# KiCad board arena_12-12_v8_ni.kicad_pcb (continued)
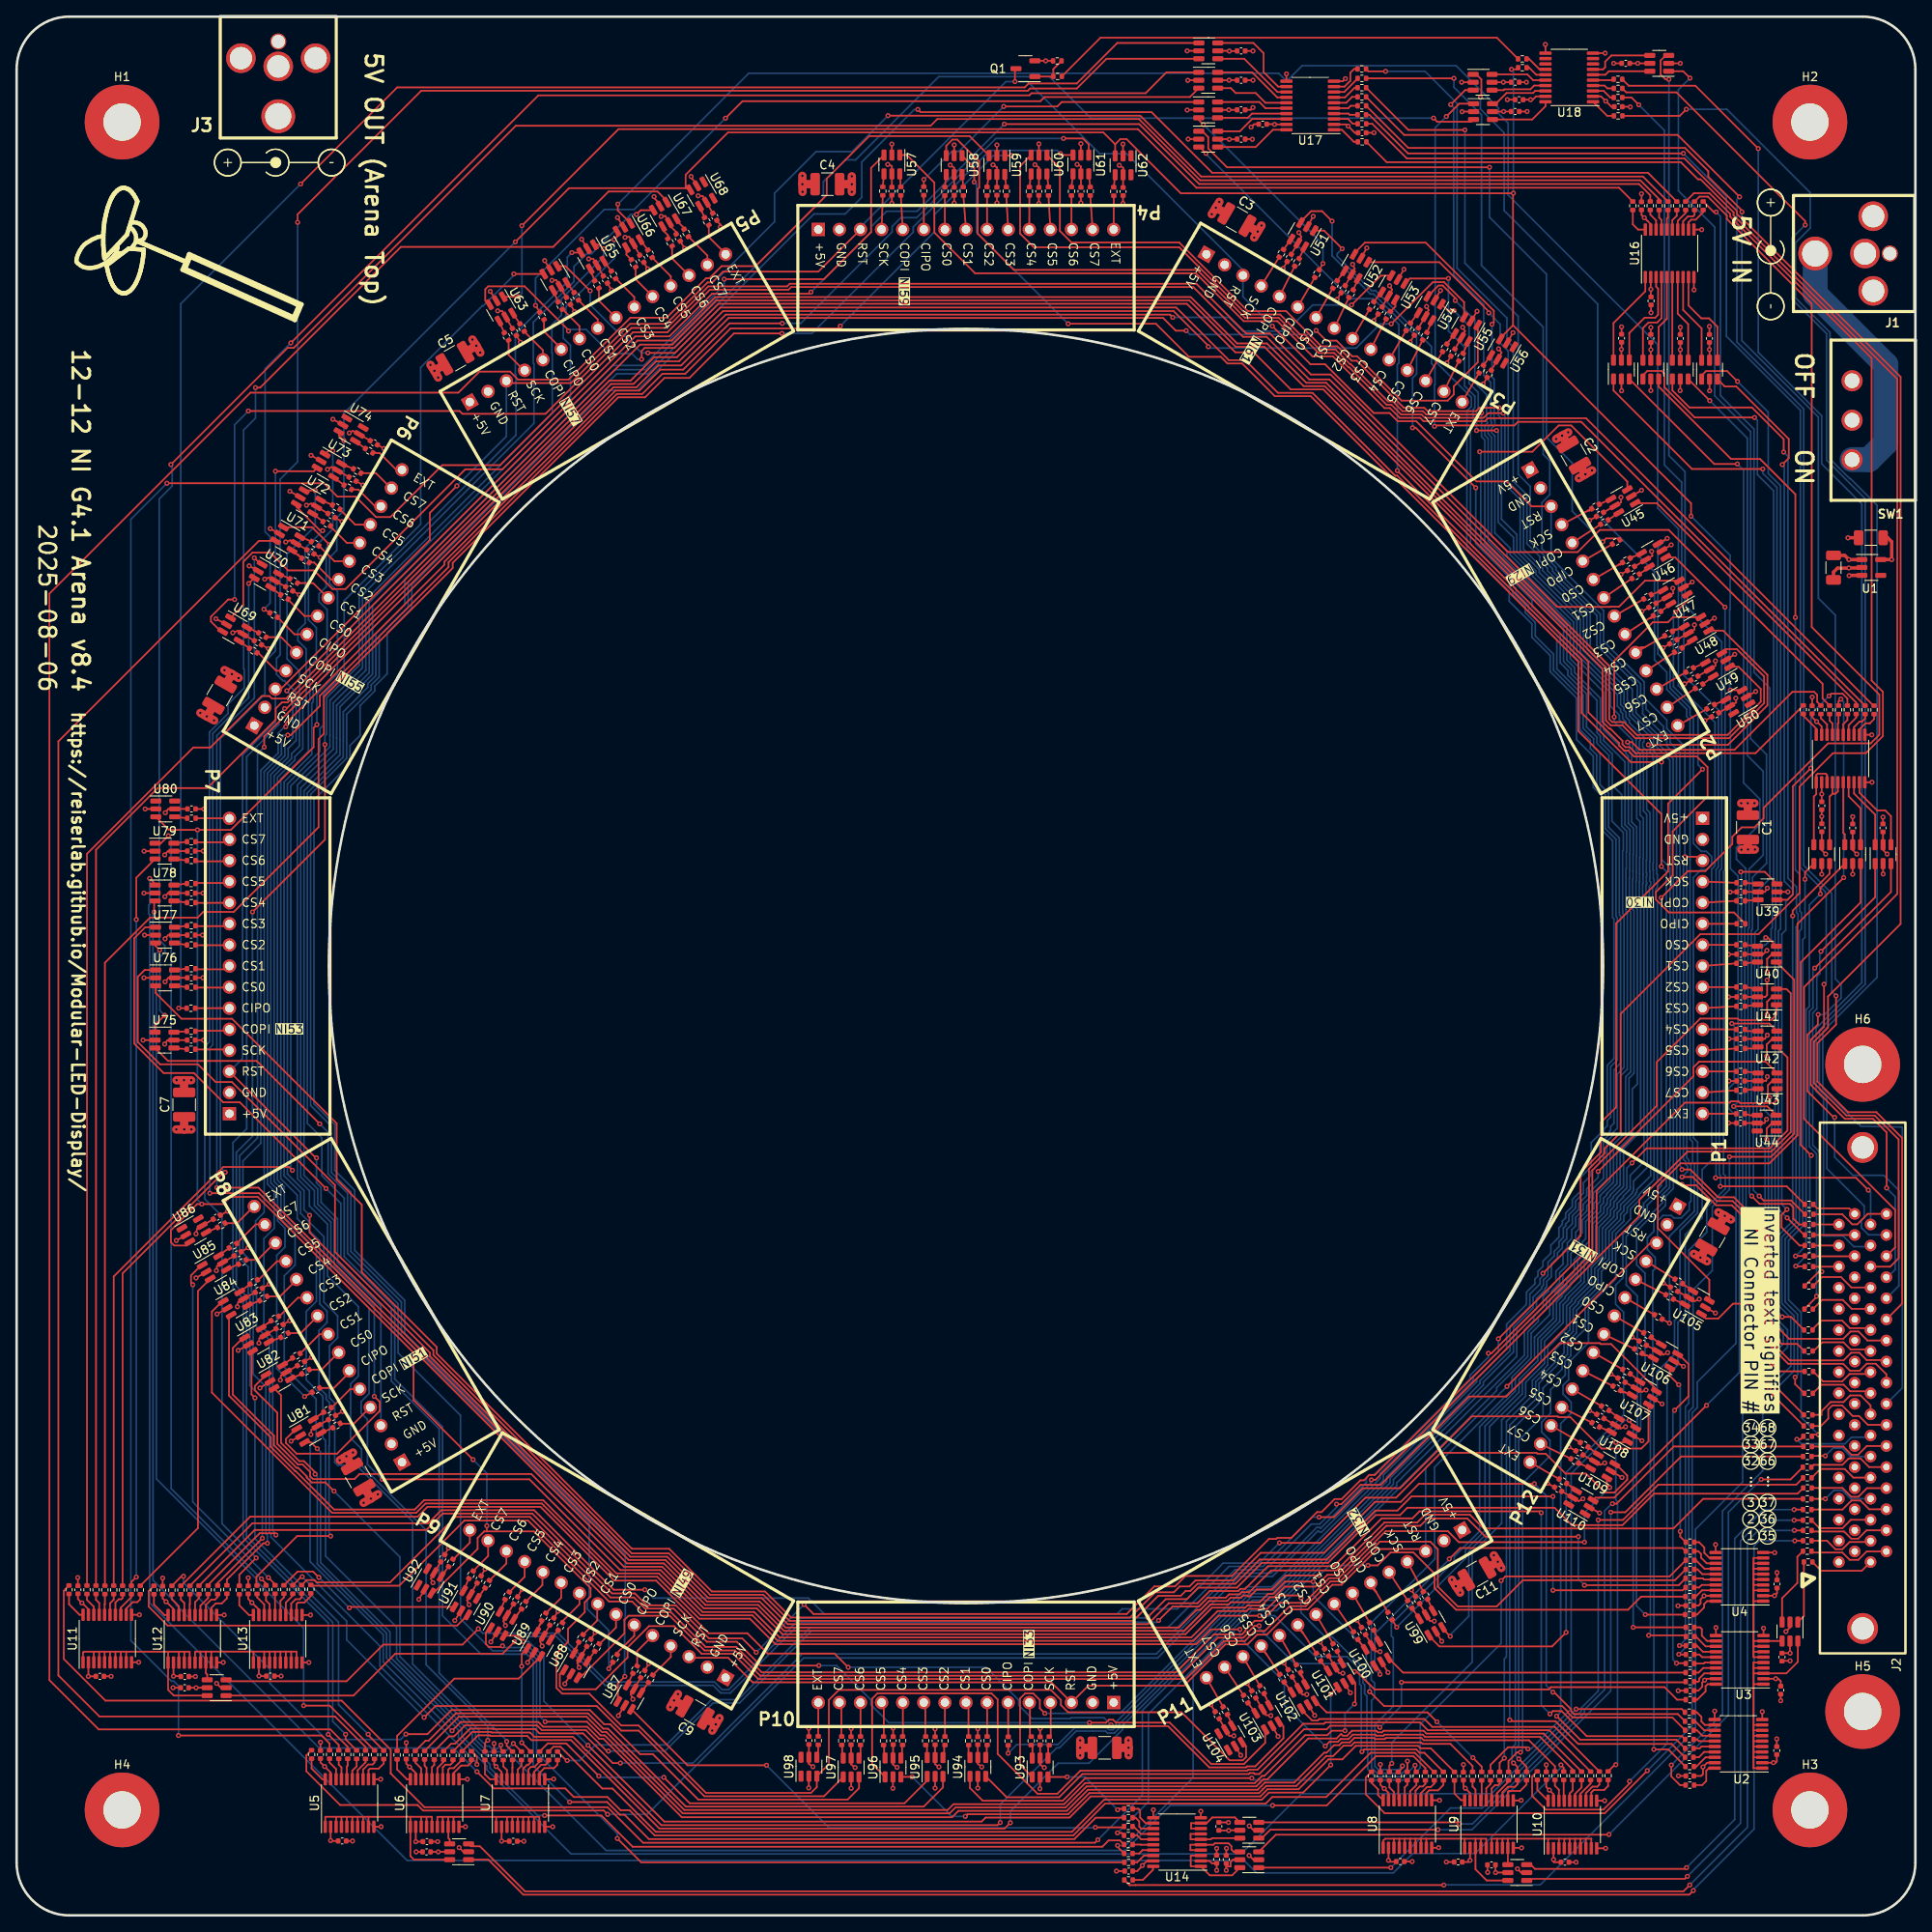
[diagram p0: board, top side]
## Routing (per net, layer and track width the routed paths; a pad name or vN(x,y) marks a point on that pad's centre or on a via; arc(x,y) is an arc through that point) (continued)
  Top w0.4: v1(220.48,165.85) 220.49,165.86 C14.2 ; 222.1,162.23 v1(220.6,162.23) 220.57,162.2 219.23,162.2 218.74,161.72 C13.2
  Top w1: v1(39.7,55.28) v1(40.5,55.73) ; v1(39.7,55.28) v1(38.9,54.8) ; v1(39.7,55.28) C8.2 ; C4.2 v1(100.55,208.43) ; v1(100.55,208.43) v1(100.55,207.5) ; v1(100.55,208.43) v1(100.55,209.38) ; v1(188.88,173.5) v1(189.67,173.97) ; v1(188.88,173.5) C2.2 ; v1(188.88,173.5) v1(188.08,173.03) ; v1(128.05,20.18) v1(128.05,21.08) ; v1(128.05,20.18) C10.2 ; v1(128.05,20.18) v1(128.05,19.25) ; C11.2 v1(173.28,39.63) ; v1(173.28,39.63) v1(172.8,40.4) ; v1(173.28,39.63) v1(173.79,38.86) ; v1(25.92,149.45) v1(26.72,148.98) ; v1(25.92,149.45) v1(25.03,149.93) ; v1(25.92,149.45) C6.2 ; v1(20.15,100.55) v1(19.25,100.55) ; v1(20.15,100.55) v1(21.03,100.55) ; v1(20.15,100.55) C7.2 ; v1(202.73,79.2) v1(203.52,78.75) ; v1(202.73,79.2) v1(201.93,79.65) ; v1(202.73,79.2) C12.2 ; v1(79.15,25.88) v1(79.62,26.65) ; v1(79.15,25.88) v1(78.69,25.06) ; v1(79.15,25.88) C9.2 ; v1(208.45,128.33) v1(209.27,128.33) ; v1(208.45,128.33) 208.43,128.35 C1.2 ; v1(208.45,128.33) 207.68,128.33 v1(207.65,128.3) ; C5.2 v1(55.35,188.98) ; v1(55.35,188.98) v1(55.83,188.15) ; v1(55.35,188.98) v1(54.88,189.73) ; C3.2 v1(149.43,202.73) ; v1(149.43,202.73) v1(149,202) ; v1(149.43,202.73) v1(149.88,203.45)
  vias: v1(140.93,217.35)
/Level Shifters/PAN3V.CS_0: length 7.5
  Top w0.2: U19.1 215.18,36.04 R1.2
/Level Shifters/PAN3V.CS_1: length 9.6
  Top w0.2: U19.3 212.55,38.18 214.39,40.03 214.39,43.17 R2.2
/Level Shifters/PAN3V.CS_2: length 200.1
  Top w0.2: R3.2 214.08,45.11 v1(214.07,45.1) ; v1(201.87,2.99) 201.38,2.5 61,2.5 56.79,6.71 U20.1
  Bottom w0.2: v1(214.07,45.1) 209.82,45.1 209.18,44.45 209.18,10.4 201.87,3.09 v1(201.87,2.99)
/Level Shifters/PAN3V.CS_3: length 201.2
  Top w0.2: v1(214.02,46.35) 214.04,46.34 R4.2 ; v1(201.44,3.66) 200.68,2.9 61.2,2.9 55.78,8.32 54.7,8.32 U20.3
  Bottom w0.2: v1(214.02,46.35) 209.68,46.35 208.38,45.05 208.38,10.6 v1(201.44,3.66)
/Level Shifters/PAN3V.CS_4: length 70.9
  Top w0.2: 182,4.4 200.85,4.4 v1(201.15,4.7) ; v1(214,47.58) 214,47.58 R5.2
  Bottom w0.2: v1(214,47.58) 210.02,47.58 207.55,45.1 207.55,11.1 v1(201.15,4.7)
/Level Shifters/PAN3V.CS_5: length 70.7
  Top w0.2: 182.29,6.11 182.8,5.6 200.9,5.6 v1(201.05,5.75) ; v1(214,48.85) 214.01,48.86 R6.2
  Bottom w0.2: v1(214,48.85) 210.32,48.85 206.85,45.38 206.85,11.55 v1(201.05,5.75)
/Level Shifters/PAN3V.CS_6: length 206.7
  Top w0.2: R7.2 203.05,50.15 199.48,46.58 176.62,46.58 174.96,48.24 169.56,48.24 168.62,47.3 164.68,47.3 158.91,41.53 151.03,41.53 148.38,38.88 148.34,38.91 147.51,38.91 147.26,38.65 145.98,38.65 145.57,38.25 143.41,38.25 142.34,37.18 139.17,37.18 v1(137.49,35.5) ; v1(59.94,32.94) 58.5,31.5 45.59,31.5 40.55,26.46 U22.1
  Bottom w0.2: v1(137.49,35.5) 137.27,35.29 94.44,35.29 85.93,26.78 84.77,26.78 83.85,27.7 70.85,27.7 64.97,33.57 60.57,33.57 v1(59.94,32.94)
/Level Shifters/PAN3V.CS_7: length 207.2
  Top w0.2: R8.2 214.41,50.77 197.12,50.77 193.34,46.99 187.25,46.99 185.16,49.08 167.43,49.08 166.55,48.2 163.63,48.2 157.87,42.44 149.91,42.44 146.92,39.46 142.27,39.46 140.89,38.08 138.36,38.08 v1(136.17,35.89) ; 25.39,28.19 39.73,28.19 44.14,32.61 53.69,32.61 v1(55.59,34.5)
  Bottom w0.2: v1(55.59,34.5) 56.12,33.97 65.2,33.97 71.07,28.1 84.02,28.1 84.94,27.18 85.74,27.18 94.38,35.82 136.1,35.82 v1(136.17,35.89)
/Level Shifters/PAN3V.EXT_INT: length 150
  Top w0.2: R22.2 213.64,86.07 210.33,86.07 v1(209.8,86.6) ; U38.1 200.64,222.03 v1(201.47,221.2)
  Bottom w0.2: v1(201.47,221.2) 200.06,219.79 200.06,207.64 204.44,203.26 204.44,182.94 208.77,178.62 208.77,141.67 210.68,139.76 210.68,126.66 208.99,124.97 208.99,118.74 208.86,118.61 208.86,97.84 209.1,97.6 209.1,87.3 v1(209.8,86.6)
/Level Shifters/PAN3V.MISO_00: length 191.2
  Top w0.2: R149.2 164.95,211.08 200.36,211.08 202.43,209.01 202.73,209.01 206.71,205.04 206.71,204.67 207.3,204.09 207.31,204.09 226.42,184.98 226.42,122.98 215.2,111.76 215.2,95.9 226.16,84.94 226.16,80.43 J2.64
/Level Shifters/PAN3V.MISO_01: length 197.6
  Top w0.2: R150.2 163.21,215.7 167.37,211.53 200.78,211.53 207.11,205.2 207.11,204.84 207.46,204.49 207.55,204.49 226.82,185.22 226.82,119.37 218.08,110.63 218.08,106.88 216.4,105.2 216.4,100.2 220.3,96.3 223.7,96.3 226.58,93.42 226.58,79.11 225.57,78.1 223.21,78.1
/Level Shifters/PAN3V.MISO_02: length 190
  Top w0.2: R151.2 162.86,216.79 167.51,212.13 v1(200.67,212.13) ; v1(225.14,87.58) 225.14,94.26 223.5,95.9 220.1,95.9 216,100 216,105.4 217.6,107 v1(217.6,112.1)
  Bottom w0.2: v1(217.6,112.1) 217.86,112.36 217.86,122.79 217.76,122.89 217.76,123.23 217.41,123.58 217.32,123.58 214.75,126.15 214.75,181.21 205.85,190.12 205.85,206.95 v1(200.67,212.13) ; v1(225.14,87.58) 225.14,87.55 226.17,86.52 226.17,77.75 225.25,76.84
/Level Shifters/PAN3V.MISO_03: length 196.3
  Top w0.2: R152.2 167.55,212.79 200.87,212.79 203.66,209.99 203.66,209.32 207.71,205.27 v1(207.71,205.09) ; v1(216.9,108.45) 216.85,108.4 216.85,107.25 215.6,106 215.6,99.24 218.76,96.08 v1(218.88,96.08)
  Bottom w0.2: J2.60 226.61,75.8 226.61,87.29 224.8,89.1 221.06,89.1 218.88,91.28 v1(218.88,96.08) ; v1(207.71,205.09) 207.71,189.58 216.92,180.38 216.92,158.58 218.96,156.54 218.96,112.75 219.65,112.06 219.65,110.45 217.65,108.45 v1(216.9,108.45)
/Level Shifters/PAN3V.MISO_04: length 198.1
  Top w0.2: R153.2 167.05,214.35 199.97,214.35 v1(207.43,206.9) ; J2.58 227,73.65 227,93.6 223.9,96.7 220.5,96.7 216.8,100.4 216.8,105 219.05,107.25 v1(219.05,110.7)
  Bottom w0.2: v1(219.05,110.7) 218.53,111.22 218.53,123.03 215.16,126.41 215.16,181.37 207.11,189.42 207.11,206.58 v1(207.43,206.9)
/Level Shifters/PAN3V.MISO_05: length 189.9
  Top w0.2: J2.56 222.83,69.22 221.75,70.3 220.8,70.3 219.92,69.42 213.39,69.42 211,71.81 211,82.2 206.74,86.46 204.84,86.46 201.5,89.8 v1(200.5,89.8) ; R154.2 167.56,214.96 v1(174.36,214.96)
  Bottom w0.2: v1(200.5,89.8) 200.5,90.01 200.27,90.24 200.27,125.99 200.27,125.99 200.27,126.61 199.84,127.04 199.84,139.61 198.67,140.78 198.67,141.76 195.77,144.66 195.77,145.67 195.12,146.32 195.12,148.05 190.26,152.91 190.26,156.51 184.93,161.84 184.93,162.12 183.92,163.13 183.92,163.69 182.23,165.38 182.23,172.05 180.78,173.5 180.78,192.52 174.36,198.94 v1(174.36,214.96)
/Level Shifters/PAN3V.MISO_06: length 197.1
  Top w0.2: R155.2 v1(173.04,221.17) ; v1(200.5,88.9) 201.8,88.9 204.7,86 206.6,86 210.6,82 210.6,69.7 213.48,66.82 219.95,66.82 220.87,67.74 221.85,67.74 222.73,66.86 224.92,66.86
  Bottom w0.2: v1(200.5,88.9) 201.17,89.57 201.17,90.18 200.92,90.44 200.92,90.78 200.67,91.04 200.67,125.83 200.67,125.83 200.67,126.78 200.24,127.2 200.24,140.03 199.07,141.2 199.07,141.93 198.27,142.73 198.27,143.14 196.17,145.24 196.17,145.84 195.52,146.49 195.52,148.25 190.66,153.12 190.66,156.67 185.33,162 185.33,162.29 184.32,163.29 184.32,163.86 183.64,164.54 183.64,170.09 184.59,171.04 184.59,175.1 183.78,175.9 183.78,191.23 176.36,198.65 176.36,216.77 173.04,220.09 v1(173.04,221.17)
/Level Shifters/PAN3V.MISO_07: length 197.3
  Top w0.2: v1(164.82,222.01) 162.74,222.01 R156.2 ; v1(200.5,88) 200.6,87.9 202.2,87.9 204.6,85.5 206.5,85.5 210.2,81.8 210.2,69.5 213.29,66.41 219.9,66.41 220.73,65.58 221.9,65.58 222.74,66.42 223.83,66.42 225.11,65.14 J2.52
  Bottom w0.2: v1(200.5,88) 200.1,88 199.86,88.24 199.86,126.16 199.87,126.16 199.87,126.44 199.64,126.67 199.64,126.67 199.44,126.87 199.44,139.26 197.87,140.83 197.87,141.87 194.97,144.77 194.97,145.84 194.52,146.28 194.52,147.62 189.45,152.68 189.45,156.74 184.32,161.87 184.32,162.15 183.38,163.1 183.38,163.6 181.83,165.15 181.83,171.02 180.18,172.67 180.18,188.82 179.42,189.58 179.42,192.3 173.42,198.3 173.42,218.15 169.56,222.01 v1(164.82,222.01)
/Level Shifters/PAN3V.MISO_08: length 188.1
  Top w0.2: v1(201.02,217.44) 200.22,216.65 R159.1
  Bottom w0.2: v1(201.02,217.44) 205.9,217.44 215.94,207.4 215.94,203.15 214.16,201.36 214.16,194.75 218.32,190.59 218.32,175.36 220.7,172.97 220.78,172.97 223.98,169.77 223.98,112.93 217.45,106.4 217.45,99.58 222.02,95.01 227.03,94.91 227.03,63.52 J2.50
/Level Shifters/PAN3V.MISO_09: length 158.9
  Top w0.2: v1(222.93,87.32) 221.45,88.8 v1(204.54,88.8) ; v1(195.3,217.99) 194.42,218.86 R160.1
  Bottom w0.2: v1(222.93,87.32) 223.21,87.04 223.21,83.19 ; v1(204.54,88.8) 204.6,88.86 204.6,125.93 204.88,126.21 204.88,145.13 200.72,149.29 200.72,157.31 200.47,157.57 200.47,172.53 198.38,174.62 198.38,214.91 v1(195.3,217.99)
/Level Shifters/PAN3V.MISO_10: length 162.1
  Top w0.2: v1(215.33,203.52) 215.33,203.98 199.83,219.48 193.79,219.48 R161.1
  Bottom w0.2: v1(215.33,203.52) 213.75,201.94 213.75,194.58 217.92,190.42 217.92,175.19 222.56,170.55 222.56,112.11 217.05,106.6 217.05,99.38 217.94,98.49 217.94,89.92 222.43,85.43 222.43,83.99 222.09,83.65 222.09,82.8 222.95,81.94 225.08,81.94
/Level Shifters/PAN3V.MISO_11: length 164.6
  Top w0.2: v1(209.69,212.71) 202.11,220.28 194.08,220.28 R162.1
  Bottom w0.2: v1(209.69,212.71) 209.69,188.18 217.32,180.55 217.32,174.76 222.16,169.92 222.16,112.31 216.64,106.79 216.64,99.22 217.54,98.32 217.54,81.79 219.91,81.79 221.18,80.52 223.08,80.52
/Level Shifters/PAN3V.MOSI_00: length 50.8
  Top w0.2: R24.2 v1(214.17,79.38) ; v1(217.16,122.98) 217.16,123.68 U26.1
  Bottom w0.2: v1(217.16,122.98) 215.83,121.66 215.83,109.43 215.44,109.04 215.44,80.64 214.18,79.38 v1(214.17,79.38)
/Level Shifters/PAN3V.MOSI_01: length 53.8
  Top w0.2: U26.3 222,121.95 214.8,114.75 214.8,92.75 v1(216.06,91.49) ; R23.2 v1(214.2,78.17)
  Bottom w0.2: v1(216.06,91.49) 215.89,91.31 215.89,79.84 214.22,78.17 v1(214.2,78.17)
/Level Shifters/PAN3V.MOSI_02: length 55.5
  Top w0.2: U27.1 223.76,122.59 v1(217.23,116.06) ; 215.27,75.79 216.98,77.5 v1(217.33,77.5)
  Bottom w0.2: v1(217.23,116.06) 217.09,115.92 217.09,113.38 216.73,113.02 216.73,109.13 216.24,108.64 216.24,92.73 217.1,91.87 217.1,77.73 v1(217.33,77.5)
/Level Shifters/PAN3V.MOSI_03: length 58.7
  Top w0.2: v1(216.7,74.54) 216.7,74.45 R20.2 ; v1(216.48,114.04) 225.66,123.22 U27.3
  Bottom w0.2: v1(216.7,74.54) 216.7,91.7 215.84,92.56 215.84,108.84 216.27,109.27 216.27,113.83 v1(216.48,114.04)
/Level Shifters/PAN3V.MOSI_04: length 129.8
  Top w0.2: R19.2 213.63,72.05 v1(212.58,72.05) ; v1(210.23,174.14) 201.7,174.14 192.25,183.59 U32.1
  Bottom w0.2: v1(210.23,174.14) 210.23,174.14 210.23,173.62 211.93,171.91 211.93,124.22 211.78,124.07 211.78,118.75 211.71,118.68 211.71,72.92 v1(212.58,72.05)
/Level Shifters/PAN3V.MOSI_05: length 130.9
  Top w0.2: R18.2 214.37,68.8 212.5,68.8 v1(212.1,69.2) ; U32.3 204.39,174.74 v1(207.16,174.74)
  Bottom w0.2: v1(212.1,69.2) 212.1,69.3 208.21,73.19 208.21,97.3 208.05,97.46 208.05,118.94 208.18,119.07 208.18,126.03 207.05,127.16 207.05,128.55 209.87,131.37 209.87,134.4 207.91,136.35 207.91,173.99 v1(207.16,174.74)
/Level Shifters/PAN3V.MOSI_06: length 139
  Top w0.2: 195.8,185.41 196.33,185.94 198.06,185.94 198.38,185.62 198.38,183.99 202.04,180.33 v1(209.24,180.33) ; v1(211.24,66.45) 212.19,65.5 215.26,65.5
  Bottom w0.2: v1(209.24,180.33) 209.57,180 209.57,173.46 211.53,171.51 211.53,124.71 211.38,124.56 211.38,118.92 211.23,118.77 211.23,117.51 210.58,116.86 210.45,116.86 210.1,116.51 210.1,98.5 210.4,98.2 210.4,96.95 210.43,96.95 211.3,96.08 211.3,72.4 213.2,70.5 213.2,68.4 211.25,66.45 v1(211.24,66.45)
/Level Shifters/PAN3V.MOSI_07: length 133.3
  Top w0.2: v1(214.15,156.26) 214.15,171.09 209.9,175.34 206.41,175.34 197.69,184.06 U34.3 ; 215.23,62.86 214.12,63.97 v1(214.12,64.8)
  Bottom w0.2: v1(214.15,156.26) 214.15,125.86 214.7,125.32 214.7,120.9 214.88,120.71 214.88,118.76 214.63,118.51 214.63,83.17 212.92,81.46 212.92,73.86 214.42,72.36 214.42,65.1 v1(214.12,64.8)
/Level Shifters/PAN3V.MOSI_08: length 139
  Top w0.2: v1(212,63.35) 212.09,63.35 R15.2 ; U33.1 199.35,183.6 201.4,181.55 208.92,181.55 212.74,177.72 v1(212.74,176.18)
  Bottom w0.2: v1(212.74,176.18) 213.25,175.67 213.25,124.87 214.28,123.83 214.28,120.74 214.47,120.55 214.47,119.25 214.23,119.01 214.23,83.38 212.52,81.67 212.52,73.66 214.01,72.17 214.01,65.57 212,63.56 v1(212,63.35)
/Level Shifters/PAN3V.MOSI_09: length 111.6
  Top w0.2: v1(208.9,86.6) 209.84,85.66 213.48,85.66 213.9,85.24 213.9,83.9 214.62,83.18 R27.2 ; U33.3 v1(203.84,182.37)
  Bottom w0.2: v1(203.84,182.37) 208.37,177.85 208.37,139.64 210.28,137.73 210.28,127.65 208.58,125.96 208.58,118.91 208.45,118.78 208.45,97.62 208.61,97.47 208.61,86.89 v1(208.9,86.6)
/Level Shifters/PAN3V.MOSI_10: length 111.4
  Top w0.2: 202.87,185.39 203.4,185.92 205.93,185.92 v1(207.18,184.68) ; 215.22,81.92 v1(213.16,83.98)
  Bottom w0.2: v1(207.18,184.68) 210.88,180.98 210.88,173.61 212.37,172.12 212.37,118.78 212.11,118.52 212.11,85.02 212.32,84.81 212.33,84.81 v1(213.16,83.98)
/Level Shifters/PAN3V.MOSI_11: length 112.1
  Top w0.2: v1(213.14,84.99) 212.49,84.34 212.49,82.82 214.66,80.65 R25.2 ; v1(212.57,174.67) 213.36,175.45 213.36,177.75 207.03,184.07 205.65,184.07 U35.3
  Bottom w0.2: v1(213.14,84.99) 212.51,85.61 212.51,118.15 213,118.63 213,122.12 213.85,122.98 213.85,123.47 212.81,124.51 212.81,174.43 v1(212.57,174.67)
/Level Shifters/PAN3V.RESET: length 151
  Top w0.2: 198.54,223.93 197.94,223.32 197.94,221.63 198.51,221.05 v1(198.92,221.05) ; R28.2 213.11,87.77 v1(205.11,87.77)
  Bottom w0.2: v1(205.11,87.77) 205.14,87.81 205.14,89.05 205,89.2 205,125.76 205.28,126.04 205.28,153.32 200.87,157.73 200.87,173.81 198.92,175.75 v1(198.92,221.05)
/Level Shifters/PAN3V.SCK_0: length 97.3
  Top w0.2: R9.2 214.26,51.86 197.64,51.86 193.39,47.6 v1(190.41,47.6) ; U23.1 v1(165.44,5.75)
  Bottom w0.2: v1(190.41,47.6) 190.41,27.01 188.36,24.95 188.36,24.59 188,24.24 187.76,24.24 176.45,12.92 172.62,12.92 v1(165.44,5.75)
/Level Shifters/PAN3V.SCK_1: length 99
  Top w0.2: R10.2 213.58,52.49 v1(210.03,52.49) ; v1(191.71,9.74) 191.68,9.71 151.6,9.71 U23.3
  Bottom w0.2: v1(210.03,52.49) 206.09,48.54 206.09,24.12 v1(191.71,9.74)
/Level Shifters/PAN3V.SCK_2: length 96.8
  Top w0.2: v1(171.12,10.31) 150.94,10.31 149.93,9.3 ; v1(191.92,48.54) 193.68,48.54 200.39,55.25 R11.2
  Bottom w0.2: v1(191.92,48.54) 191.92,27.02 175.22,10.31 v1(171.12,10.31)
/Level Shifters/PAN3V.SCK_3: length 97.3
  Top w0.2: R12.2 199.51,56.45 192.63,49.57 v1(192.13,49.57) ; v1(173.71,11.01) 173.53,11.2 U24.3
  Bottom w0.2: v1(173.71,11.01) 175.27,11.01 188.09,23.83 188.17,23.83 188.76,24.42 188.76,24.76 191.18,27.18 191.18,48.7 192.04,49.57 v1(192.13,49.57)
/Level Shifters/PAN3V.SCK_4: length 72.4
  Top w0.2: U25.1 215.31,125.56 v1(215.31,124.74) ; R13.2 216.34,57.88 v1(216.92,57.88)
  Bottom w0.2: v1(215.31,124.74) 215.31,117.74 215.03,117.47 215.03,82.97 213.33,81.27 213.33,74.1 214.83,72.6 214.83,59.97 v1(216.92,57.88)
/Level Shifters/PAN3V.SCK_5: length 73.6
  Top w0.2: U25.3 218.27,125.41 213.83,120.96 v1(213.83,120.33) ; v1(211,63.35) 211,63.1 215.15,58.95
  Bottom w0.2: v1(211,63.35) 211.12,63.47 211.12,63.61 213.6,66.09 213.6,71.95 212.12,73.43 212.12,81.89 213.83,83.6 v1(213.83,120.33)
/Level Shifters/PAN5V.CS_0_P01: length 112.1
  Top w0.2: U40.3 210.82,117.72 v1(210.58,117.72) ; v1(199.21,18.1) 199.21,16.73 200.25,15.69 R29.1
  Bottom w0.2: v1(199.21,18.1) 205.37,24.26 205.37,48.68 210.21,53.52 210.21,66.31 212.7,68.8 212.7,70.4 210.9,72.2 210.9,92.4 209.96,93.34 209.96,98.04 209.67,98.33 209.67,116.82 v1(210.58,117.72)
/Level Shifters/PAN5V.CS_0_P02: length 158.9
  Top w0.2: U46.3 v1(198.72,165.78) ; R30.1 198.85,19.99 v1(197.11,19.99)
  Bottom w0.2: v1(198.72,165.78) 197.59,164.65 197.59,151.89 199.07,150.41 199.07,147.77 201.47,145.37 201.47,144.49 201.87,144.09 201.87,129.06 202.83,128.1 203.43,128.1 204.08,127.46 204.08,126.54 203.43,125.9 202.81,125.9 201.87,124.96 201.87,93.6 202.38,93.09 202.38,84.58 200.26,82.47 200.26,72.29 199.6,71.63 199.6,67.55 197.51,65.45 197.51,62.56 197.11,62.17 v1(197.11,19.99)
/Level Shifters/PAN5V.CS_0_P03: length 228.2
  Top w0.2: v1(179.76,23.52) 179.9,23.39 185.26,23.39 188,20.64 199.25,20.64 R31.1 ; v1(177.62,191.56) 177.84,191.78 177.84,193.19 169.64,201.39 162.32,201.39 161.02,200.09
  Bottom w0.2: v1(177.62,191.56) 177.62,185.2 177.88,184.94 177.88,181.25 177.88,181.25 177.88,180.08 177.97,179.99 177.97,179.42 177.92,179.37 177.57,179.02 177.57,178.52 177.97,178.12 177.97,166.44 179.82,164.59 179.82,163.82 181.37,162.27 181.37,162.27 182.11,161.52 182.11,161.04 187.44,155.71 187.44,151.67 191.91,147.2 191.91,145.56 192.96,144.51 192.96,143.93 193.36,143.53 193.36,143.25 194.67,141.94 194.68,141.94 195.04,141.58 194.97,141.51 194.97,140.35 195.46,139.86 195.46,132.48 195.85,132.09 195.85,127.24 195.81,127.2 195.81,125.38 195.85,125.34 195.85,125.26 195.81,125.22 195.81,124.25 195.76,124.21 195.76,121.93 195.79,121.91 195.79,121.6 195.93,121.46 195.93,90.75 194.26,89.09 194.26,87.71 194.26,87.42 194.11,87.27 194.11,87.27 193.44,86.6 193.44,86.46 192.7,85.72 192.7,85.15 192.3,84.75 192.3,84.1 190.91,82.71 190.91,79.34 189.59,78.02 189.59,75.96 187.63,74.01 187.63,73.82 187,73.18 187,70.47 185.91,69.38 185.91,68.82 185.24,68.15 185.24,66.6 182.88,64.24 182.88,62.15 179.76,59.02 v1(179.76,23.52)
/Level Shifters/PAN5V.CS_0_P04: length 275.6
  Top w0.2: R32.1 199.83,21.15 188.24,21.15 v1(185.41,23.99) ; U58.3 111.92,213.05 112.66,213.79 113.24,213.79 115.89,211.14 115.89,208.03 115.71,207.85 115.71,202.46 120.07,198.11 142.13,198.11 147.89,192.34 151.94,192.34 154.37,189.92 154.93,189.92 156.75,188.1 158.62,188.1 160.36,186.37 160.45,186.37 164.94,181.87 165.51,181.87 166.69,180.7 169.15,180.7 169.55,180.3 176.22,180.3 176.61,180.3 177.18,180.86 v1(178.97,180.86)
  Bottom w0.2: v1(185.41,23.99) 185.89,24.48 185.89,59.2 187.15,60.46 187.15,61.79 186.18,62.76 186.18,63.82 186.85,64.49 186.85,66.55 189.24,68.94 189.24,73.34 192.52,76.62 192.52,82.05 194.31,83.84 194.31,85.06 197.53,88.28 197.53,122.13 197.39,122.27 197.39,122.58 197.37,122.6 197.37,123.54 197.53,123.7 197.53,125.31 197.46,125.39 197.46,126 197.41,126.04 197.41,126.54 197.46,126.58 197.46,138.57 197.43,138.6 197.43,139.1 197.46,139.12 197.46,139.82 197.06,140.21 197.06,141.53 194.16,144.43 194.16,145.29 193.51,145.94 193.51,147.38 188.65,152.25 188.65,156.34 183.32,161.67 183.32,162.02 182.57,162.77 182.57,162.77 181.02,164.32 181.02,170.47 179.17,172.32 179.17,180.66 v1(178.97,180.86)
/Level Shifters/PAN5V.CS_0_P05: length 347.7
  Top w0.2: v1(184.61,24.25) 184.95,24.6 186.01,24.6 189.02,21.58 200.48,21.58 R33.1 ; v1(35.28,84.28) 35.28,82.22 49.77,67.72 49.77,67.3 73.89,43.18 78.32,43.18 83.3,38.2 89.7,38.2 92.84,35.06 136.19,35.06 138.71,37.58 142.17,37.58 143.64,39.06 147.09,39.06 147.35,39.31 147.92,39.31 150.64,42.04 158.59,42.04 164.35,47.8 168.04,47.8 168.89,48.64 183.38,48.64 v1(183.55,48.47) ; 63.44,197.62 v1(59.86,197.62)
  Bottom w0.2: v1(35.28,84.28) 34.59,84.97 34.59,87.27 32.6,89.26 32.6,136.22 36.52,140.14 36.52,142.88 36.92,143.28 36.92,146.96 39.43,149.47 39.43,158.28 48.64,167.49 48.64,186.35 56.06,193.78 56.18,193.78 59.86,197.46 v1(59.86,197.62) ; v1(184.61,24.25) 183.55,25.3 v1(183.55,48.47)
/Level Shifters/PAN5V.CS_0_P06: length 289.6
  Top w0.2: U70.3 v1(27.94,160.35) ; v1(156.1,40.18) 152.71,40.18 151.23,38.7 150.66,38.7 149.66,37.71 146.17,37.71 145.91,37.45 143.74,37.45 140.55,34.26 92.4,34.26 89.28,37.37 82.93,37.37 77.92,42.38 73.48,42.38 48.97,66.89 48.97,67.17 29.19,86.95 v1(23.27,86.95) ; R34.1 199.33,23.83 187.34,23.83 186.75,24.42 186.75,24.53 186.07,25.2 164.63,25.2 v1(162.89,26.95)
  Bottom w0.2: v1(27.94,160.35) 27.94,146.62 23.62,142.29 23.62,104.81 23.27,104.46 v1(23.27,86.95) ; v1(156.1,40.18) 156.1,38.49 162.49,32.1 162.49,28.16 162.89,27.76 v1(162.89,26.95)
/Level Shifters/PAN5V.CS_0_P07: length 257.3
  Top w0.2: v1(184.96,26.88) 185.09,26.88 187.15,24.81 187.15,24.59 187.5,24.24 200,24.24 R35.1 ; U76.3 16.73,111.06 19.85,107.95 25.93,107.95 38.53,95.35 38.53,88.59 41.55,85.56 41.55,77.44 50.58,68.42 50.58,67.63 74.08,44.14 78.56,44.14 83.7,39 90.1,39 93.24,35.86 134.06,35.86 137.1,38.9 139.32,38.9 140.02,39.6 141.2,39.6 141.92,40.32 146.46,40.32 149.78,43.65 157.4,43.65 163.54,49.79 166.65,49.79 168.82,51.96 v1(182.73,51.96)
  Bottom w0.2: v1(184.96,26.88) 184.16,27.68 184.16,50.53 v1(182.73,51.96)
